# Altium PCB XXXX.687253.007.PcbDoc (part 2 of 2) (continued)
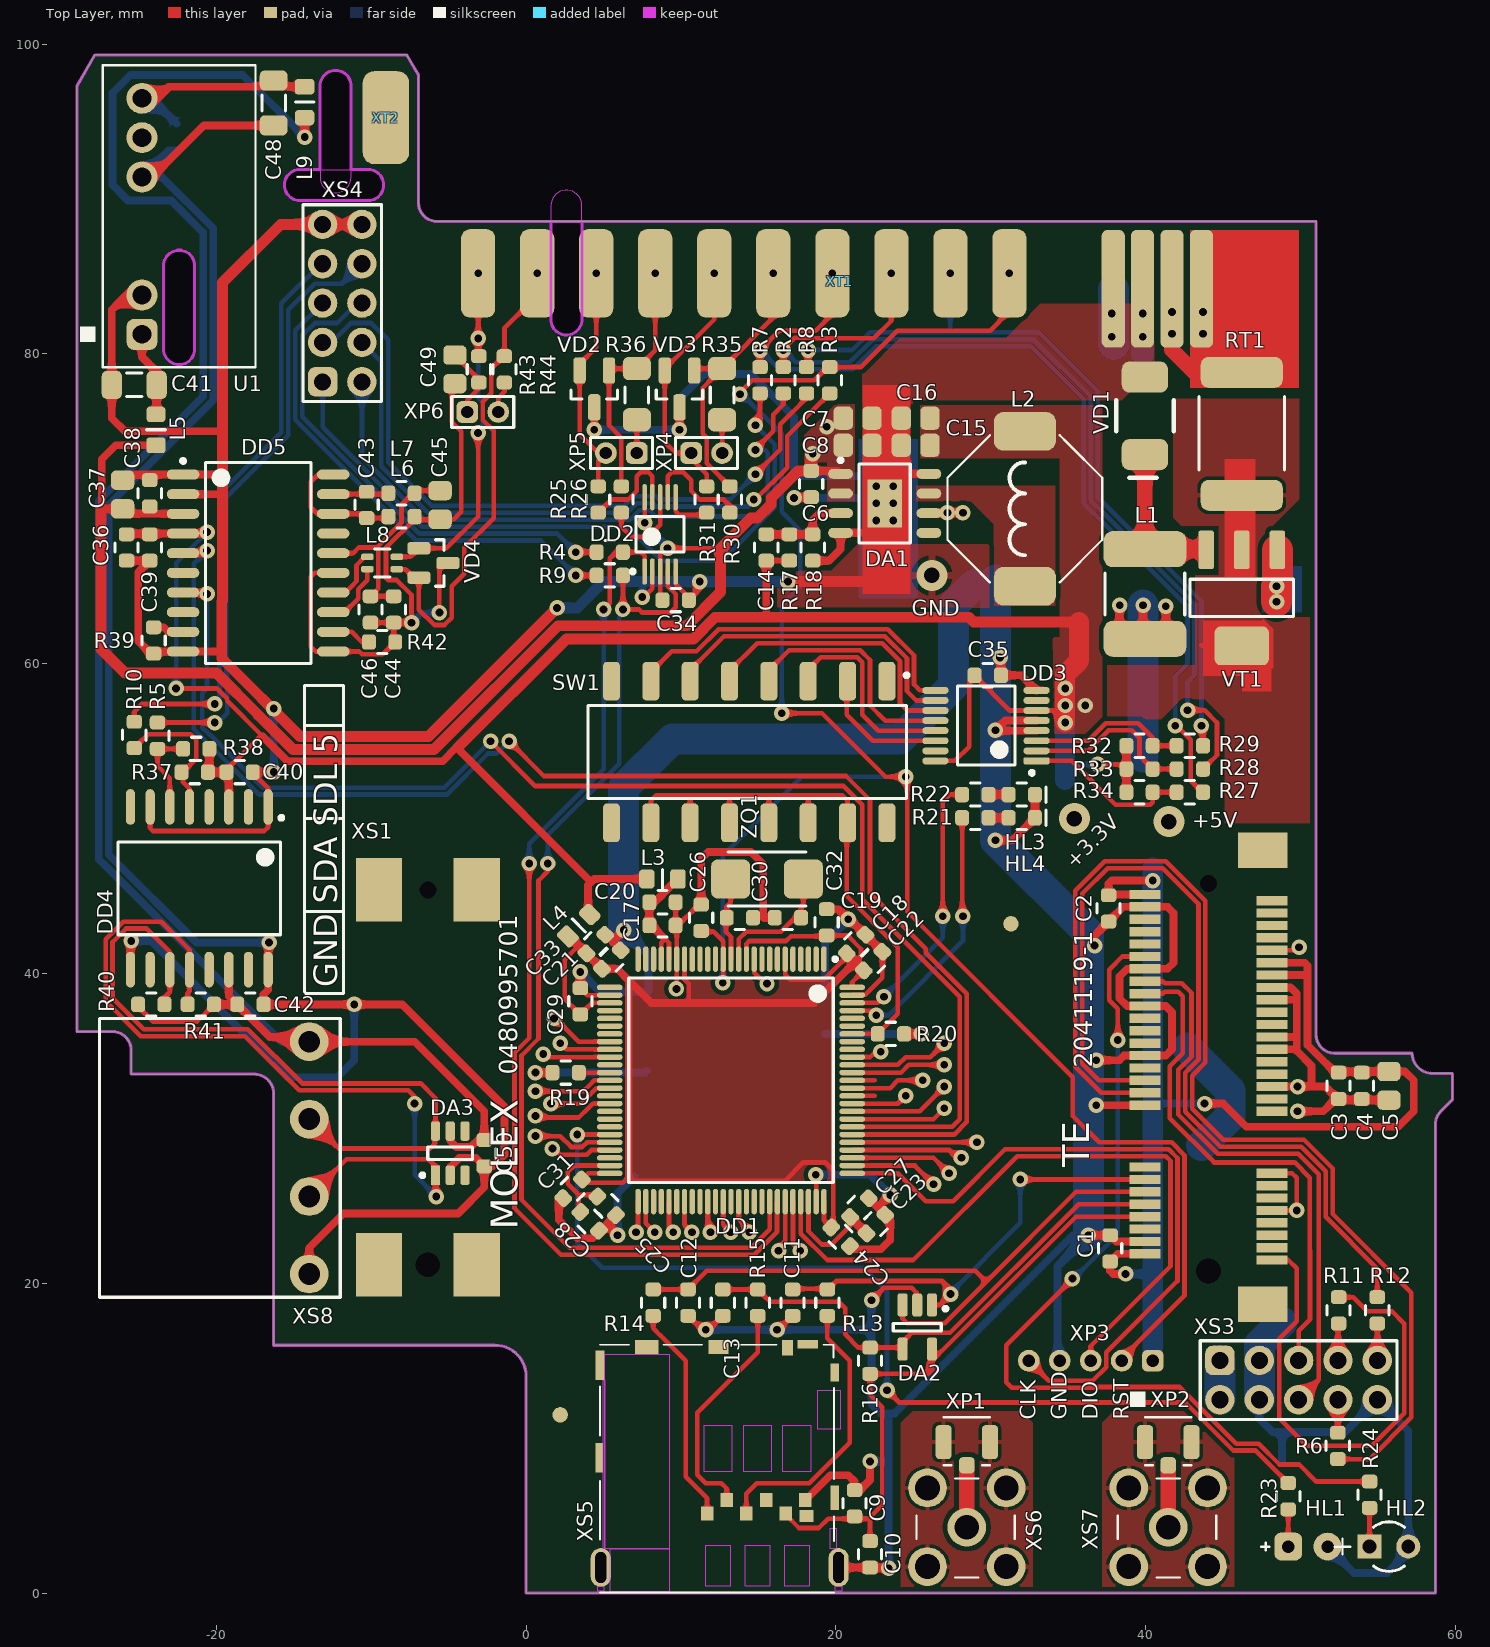
[diagram p0: Top Layer view]
## Nets (pads, with @x,y where several pads share a name; then routed paths per layer and width w, separated by ;. In a path a pad name is that pad's centre, name@x,y a point inside that pad or via, vN(x,y) a via of type N, cw(c..) or ccw(c..) an arc to the next point about the centre after c; other vN are vias at no path point) (continued)
NetDD2_8: DD2.8 R26.2 | length 5.8
  Top Layer w0.3: R26.2@6.15,69.75 6.15,68.85 6.8,68.2 7.881,68.2 8.65,68.969 DD2.8@8.65,70.75
NetDD2_9: DD2.9 R25.2 | length 6.6
  Top Layer w0.3: R25.2@4.65,69.75 5.5,70.6 6.6,70.6 7.15,71.15 7.15,72.1 7.4,72.35 7.9,72.35 8.15,72.1 DD2.9@8.15,70.75
NetDD3_1: DD3.1 R27.2 R34.1 | length 10.9
  Top Layer w0.3: DD3.1@32.95,53.725 35.225,53.725 38.05,50.9 40.3,50.9 40.45,51.05 R34.1@40.45,51.7 R27.2@42,51.7
NetDD3_2: DD3.2 R28.2 R33.1 | length 11.3
  Top Layer w0.3: DD3.2@32.95,54.375 36.275,54.375 37.6,55.7 39.1,55.7 39.6,55.2 39.6,54.05 R33.1@40.45,53.2 R28.2@42,53.2
NetDD3_3: DD3.3 R29.2 R32.1 | length 10.4
  Top Layer w0.3: DD3.3@32.95,55.025 36.289,55.025 37.414,56.15 39.525,56.15 40.45,55.225 R32.1@40.45,54.7 R29.2@42,54.7
NetDD3_9: DD3.9 SW1.7 | length 22.8
  Top Layer w0.3: SW1.7@8.05,58.872 8.05,59.45 9.4,60.8 11,60.8 12.422,62.222 23.351,62.222 25.04,60.533 25.04,58.66 25.425,58.275 DD3.9@26.425,58.275
NetDD3_10: DD3.10 SW1.6 | length 20.4
  Top Layer w0.3: SW1.6@10.59,58.872 10.59,59.59 12.772,61.772 23.164,61.772 24.59,60.346 24.59,58.21 25.175,57.625 DD3.10@26.425,57.625
NetDD3_11: DD3.11 SW1.5 | length 18.1
  Top Layer w0.3: SW1.5@13.13,58.872 13.13,59.53 14.922,61.322 22.978,61.322 24.14,60.16 24.14,57.46 24.625,56.975 DD3.11@26.425,56.975
NetDD3_12: DD3.12 SW1.4 | length 15.6
  Top Layer w0.3: SW1.4@15.67,58.872 15.8,59.002 15.8,59.7 16.972,60.872 21.564,60.872 22.2,60.236 22.2,57.3 23.175,56.325 DD3.12@26.425,56.325
NetDD3_13: DD3.13 SW1.3 | length 13.2
  Top Layer w0.3: SW1.3@18.21,58.872 18.21,59.61 19.022,60.422 21.378,60.422 21.7,60.1 21.7,56.7 22.725,55.675 DD3.13@26.425,55.675
NetDD3_14: DD3.14 SW1.2 | length 8.6
  Top Layer w0.3: SW1.2@20.75,58.872 20.7,58.822 20.7,56.7 22.375,55.025 DD3.14@26.425,55.025
NetDD5_9: DD5.9 R39.1 | length 2
  Top Layer w0.5: R39.1@-24.05,62.35 -23.4,62.35 -23.105,62.055 DD5.9@-22.15,62.055
NetDD5_12: DD5.12 R42.2 | length 2.6
  Top Layer w0.3: DD5.12@-12.45,62.055 -11.255,62.055 -10.6,61.4 R42.2@-10.15,61.4
NetDD5_13: DD5.13 L8.2 | length 4.1
  Top Layer w0.3: DD5.13@-12.45,63.325 -11.725,63.325 -10.85,64.2 -10.85,64.792 -10.25,65.392 L8.2@-10.25,66.1
NetDD5_14: DD5.14 L8.1 | length 3.8
  Top Layer w0.3: DD5.14@-12.45,64.595 -11.684,64.595 -11.3,64.979 -10.95,65.329 -10.95,66.366 -10.416,66.9 L8.1@-10.25,66.9
NetHL1_2: HL1.2 R23.2 | length 2.4
  Top Layer w0.3: HL1.2@49.2,3 R23.2@49.2,5.4
NetHL2_2: HL2.2 R24.2 | length 2.5
  Top Layer w0.3: HL2.2@54.45,3 R24.2@54.45,5.5
NetHL3_2: HL3.2 R21.2 | length 1.3
  Top Layer w0.5: R21.2@29.85,50.05 HL3.2@31.15,50.05
NetHL4_2: HL4.2 R22.2 | length 1.3
  Top Layer w0.5: R22.2@29.85,51.55 HL4.2@31.15,51.55
NetL1_1: L1.1 VD1.1 VT1.3 | length 10.1
  Top Layer w1: VD1.1@39.95,73.5 L1.1@39.95,67.395 43.855,67.395 VT1.3@43.9,67.35
NetR2_1: R2.1 XS4.2 | length 42.1
  Top Layer w0.3: v1(14.8,73.8) 14.8,73.853 15.95,75.003 15.95,76.085 16.6,76.735 R2.1@16.6,77.45
  Bottom Layer w0.3: XS4.2@-10.6,78.2 -10.6,73.364 -6.536,69.3 6.719,69.3 7.319,69.9 7.981,69.9 8.381,69.5 14.831,69.5 15.6,70.268 15.6,71.404 15.6,73.6 15.4,73.8 v1(14.8,73.8)
NetR3_1: R3.1 XS4.4 | length 43.3
  Top Layer w0.3: v1(14.7,70.6) 14.8,70.6 16.85,72.65 16.85,74.7 R3.1@19.6,77.45
  Bottom Layer w0.3: XS4.4@-10.6,80.74 -9.35,79.49 -9.35,72.75 -6.35,69.75 6.532,69.75 7.132,70.35 8.168,70.35 8.368,70.15 14.35,70.15 14.7,70.5 v1(14.7,70.6)
NetR4_1: R4.1 XS4.6 | length 32.6
  Top Layer w0.3: v1(3.2,67.2) R4.1@4.55,67.2
  Bottom Layer w0.3: XS4.6@-10.6,83.28 -10.92,83.28 -12.21,81.99 -13.658,81.99 -14.45,81.198 -14.45,75.941 -6.909,68.4 2,68.4 v1(3.2,67.2)
NetR5_1: R5.1 XS4.8 | length 38.4
  Top Layer w0.3: R5.1@-23.8,56.2 v1(-20.1,56.2)
  Bottom Layer w0.3: v1(-20.1,56.2) -19.9,56.2 -19.3,56.8 -19.3,59.3 -19.35,59.35 -19.35,70.741 -15.35,74.741 -15.35,82.838 -13.658,84.53 -11.89,84.53 XS4.8@-10.6,85.82
NetR6_1: R6.1 XS3.8 | length 2.1
  Top Layer w0.3: R6.1@52.4,10.35 52.4,12.467 XS3.8@52.413,12.48
NetR7_1: R7.1 XS4.1 | length 45.1
  Top Layer w0.3: v1(14.8,75.4) 14.8,75.479 15.1,75.779 R7.1@15.1,77.45
  Bottom Layer w0.3: XS4.1@-13.14,78.2 -13.14,75.267 -6.723,68.85 6.55,68.85 8.75,66.65 12.618,66.65 16.05,70.082 16.05,71.217 16.05,74.15 v1(14.8,75.4)
NetR8_1: R8.1 XS4.3 | length 45.6
  Top Layer w0.3: v1(14.8,72.226) 16.4,73.826 16.4,75.45 18.1,77.15 R8.1@18.1,77.45
  Bottom Layer w0.3: XS4.3@-13.14,80.74 -12.56,80.74 -11.31,81.99 -9.99,81.99 -8.9,80.9 -8.9,73 -6.1,70.2 6.346,70.2 6.946,70.8 8.354,70.8 8.554,70.6 13.174,70.6 v1(14.8,72.226)
NetR9_1: R9.1 XS4.5 | length 31.9
  Top Layer w0.3: v1(3.2,65.7) R9.1@4.55,65.7
  Bottom Layer w0.3: XS4.5@-13.14,83.28 -14.9,81.52 -14.9,75.754 -7.096,67.95 0.95,67.95 v1(3.2,65.7)
NetR10_1: R10.1 XS4.7 | length 37.8
  Top Layer w0.3: R10.1@-25.3,56.25 -25.3,56.9 -24.8,57.4 -20.2,57.4 -20.1,57.5 -20,57.4 v1(-20.1,57.4)
  Bottom Layer w0.3: v1(-20.1,57.4) -20,57.4 -20.1,57.5 -19.8,57.8 -19.8,70.927 -15.8,74.927 -15.8,83.26 -13.24,85.82 XS4.7@-13.14,85.82
NetR11_1: R11.1 XS3.7 | length 2.4
  Top Layer w0.3: XS3.7@52.413,15.02 52.413,17.363 R11.1@52.45,17.4
NetR12_1: R12.1 XS3.9 | length 2.4
  Top Layer w0.3: R12.1@54.95,17.4 54.953,17.397 XS3.9@54.953,15.02
NetR13_1: R13.1 XS5.2 | length 18.1
  Top Layer w0.3: XS5.2@14.22,5.15 14.22,6.42 14.9,7.1 18.286,7.1 20.9,9.714 20.9,15 19.45,16.45 R13.1@19.45,17.9
NetR14_1: R14.1 XS5.3 | length 14.2
  Top Layer w0.3: R14.1@8.2,17.9 8.2,17.1 8.67,16.63 8.674,16.63 8.85,16.454 8.85,16.45 10.3,15 10.3,7.5 11.68,6.12 XS5.3@11.68,5.15
NetR15_1: R15.1 XS5.6 | length 14.9
  Top Layer w0.3: XS5.6@12.95,6 12.95,6.75 12.6,7.1 11.584,7.1 11.05,7.634 11.05,11.65 14.95,15.55 R15.1@14.95,17.9
NetR35_1: R35.1 XP4.2 | length 1.9
  Top Layer w0.3: XP4.2@12.65,73.85 R35.1@12.65,75.75
NetR36_1: R36.1 XP5.1 | length 2.2
  Top Layer w0.3: XP5.1@7.15,73.6 R36.1@7.15,75.75
NetR44_1: R44.1 XP6.2 | length 2.1
  Top Layer w0.3: XP6.2@-1.8,76.25 -1.8,77.15 -1.4,77.55 R44.1@-1.4,78.15
NetRT1_2: RT1.2 VT1.2 | length 0.1
  Top Layer w0.3: 43.6,61.2 43.65,61.15
NetXP1_1: XP1.1 XS6.1
NetXP1_2: XP1.2 XS6.2 | length 4
  Top Layer w1: XS6.2@28.45,4.25 XP1.2@28.45,8.25
NetXP2_1: XP2.1 XS7.1
NetXP2_2: XP2.2 XS7.2 | length 4
  Top Layer w1: XS7.2@41.45,4.25 XP2.2@41.45,8.25
PERST#_EC25: R12.2 XS1.22 | length 58.6
  Top Layer w0.3: XS1.22@39.95,33.1 36.969,33.1 35.9,34.169 35.9,45.164 37.536,46.8 41.1,46.8 43.404,44.496 43.404,34.44 42.55,33.586 42.55,31.082 44.828,28.804 50.032,28.804 51.613,27.224 51.613,24.287 54.95,20.95 R12.2@54.95,19.1
PROG_BOOT0_SEL0: R7.2 R27.1 XT1.7 | length 62.1
  Top Layer w0.3: R7.2@15.1,79.15 v1(15.1,80.25) 16.35,81.5 18.7,81.5 19.765,82.565 XT1.7@19.765,85.2 ; v1(41.9,56) 42,56 42.9,55.1 42.9,52.45 43.65,51.7 R27.1@43.7,51.7
  Bottom Layer w0.3: v1(15.1,80.25) 16.35,79 21.086,79 22.586,80.5 32.564,80.5 36,77.064 36,70.327 36.645,69.682 36.682,69.682 42.7,63.664 42.7,60 41.9,59.2 v1(41.9,56)
PROG_BOOT0_SEL1: R2.2 R28.1 XT1.8 | length 63.5
  Top Layer w0.3: R2.2@16.6,79.15 v1(16.6,80.25) ; v1(16.6,80.25) 16.6,80.3 17.35,81.05 18.531,81.05 18.581,81 22.45,81 23.575,82.125 XT1.8@23.575,85.2 ; v1(42.7,57) 43.8,57 44.6,56.2 44.6,54.1 R28.1@43.7,53.2
  Bottom Layer w0.3: v1(16.6,80.25) 17.4,79.45 20.9,79.45 22.4,80.95 32.75,80.95 36.45,77.25 36.45,70.514 36.832,70.132 36.868,70.132 43.15,63.85 43.15,59.25 42.7,58.8 v1@42.7,57.1 ; v1(42.7,57) v1@42.7,57.1 ; v1@42.9,57.3 v1@42.7,57.1
PROG_BOOT0_SEL2: R8.2 R29.1 XT1.9 | length 51.5
  Top Layer w0.3: R8.2@18.1,79.15 18.2,79.25 v1(18.2,80.25) ; v1(43.6,56) 43.8,56 43.7,55.9 R29.1@43.7,54.7
  Bottom Layer w0.3: v1(18.2,80.25) 21.064,80.25 22.214,81.4 33.1,81.4 36.9,77.6 36.9,70.7 37.018,70.582 37.055,70.582 43.6,64.036 43.6,59.064 v1(43.6,56) ; 27.385,81.5 XT1.9@27.385,85.2
PROG_NRST_Out: C26.2 DD1.14 R3.2 XP3.2 XT1.10 | length 130.8
  Top Layer w0.3: C26.2@11.3,42.75 11.35,42.7 12.1,42.7 12.725,42.075 DD1.14@12.725,40.925 12.725,39.425 v1(12.7,39.4) ; v1(13.8,77.4) 13.8,77.5 14.6,78.3 18.6,78.3 19.45,79.15 R3.2@19.6,79.15 21.6,79.15 23.95,81.5 29.95,81.5 31.195,82.745 XT1.10@31.195,85.2 ; v1@16.4,56.8 v1(16.5,56.8) 19.1,56.8 23.2,52.7 v1(24.5,52.7) 24.6,52.6 24.6,44 35.3,33.3 35.3,30.8 37,29.1 41.673,29.1 42.5,28.273 42.5,19.2 38.45,15.15 XP3.2@38.45,15
  Bottom Layer w0.3: v1(12.7,39.4) 12.7,47.6 17.8,52.7 v1(24.5,52.7) ; v1(13.8,77.4) 13.931,77.4 16.5,74.831 16.5,71.031 ; 16.5,71.031 16.5,69.8 17.7,68.6 17.7,64.969 16.5,63.769 v1(16.5,56.8)
PROG_RX/CAN: DD1.69 DD2.1 R4.2 | length 68.9
  Top Layer w0.3: v1(0.2,47.1) 0.2,46.9 0.1,46.8 0.2,46.7 0.2,35.836 -0.75,34.886 -0.75,24.85 2.25,21.85 14.718,21.85 16.2,23.332 16.2,25.25 DD1.69@16.225,25.275 ; v1(5,63.5) 5.4,63.9 5.4,66.8 5.8,67.2 R4.2@6.25,67.2 7.4,67.2 7.65,66.95 DD2.1@7.65,65.95
  Bottom Layer w0.3: v1(0.2,47.1) 0.2,48.375 5,53.175 v1(5,63.5)
PROG_TX/CAN: DD1.68 DD2.4 R9.2 | length 69.3
  Top Layer w0.3: v1(1.4,47.1) 1.4,46.6 0.8,46 0.8,35.8 -0.3,34.7 -0.3,25.4 2.8,22.3 14.531,22.3 15.725,23.494 DD1.68@15.725,25.275 ; R9.2@6.25,65.7 v1(6.25,63.5) 7.3,63.5 7.5,63.3 9.3,63.3 9.65,63.65 9.65,64.5 9.15,65 DD2.4@9.15,65.95
  Bottom Layer w0.3: v1(1.4,47.1) 1.799,47.1 1.4,47.498 1.4,48.938 6,53.538 6,63 6.25,63.25 v1(6.25,63.5)
REZERV1: DD1.23
REZERV2: DD1.24
Shasi: XT2.1
SWCLK: DD1.76 XP3.5 | length 44.7
  Top Layer w0.3: DD1.76@21.05,27.1 24,27.1 25.8,25.3 27.564,25.3 30.914,28.65 41.486,28.65 42.05,28.086 42.05,20.15 37.45,15.55 37.45,14.586 36.564,13.7 33.75,13.7 XP3.5@32.45,15
SWDIO: DD1.72 XP3.3 | length 44.6
  Top Layer w0.3: DD1.72@17.725,25.275 17.725,23.206 19.431,21.5 25,21.5 31.7,28.2 41.3,28.2 41.6,27.9 41.6,21.1 36.45,15.95 XP3.3@36.45,15
USB_EC25_D3_N: XS1.36 XS3.5 | length 33.6
  Top Layer w0.3: XS1.36@39.95,38.7 41.1,38.7 41.223,38.823 42.1,38.823 42.4,38.523 42.4,34.856 41.546,34.002 41.546,30.666 44.412,27.8 49.617,27.8 50.6,26.817 50.6,22.136 50.609,22.128 50.609,17.672 49.873,16.937 XS3.5@49.873,15.02
USB_EC25_D3_P: XS1.38 XS3.6 | length 37.3
  Top Layer w0.3: XS1.38@39.95,39.5 41.1,39.5 41.223,39.377 42.329,39.377 42.954,38.752 42.954,34.627 42.1,33.773 42.1,30.896 44.642,28.354 49.846,28.354 51.163,27.037 51.163,13.77 XS3.6@49.873,12.48
USIM_CLK: C12.1 DA2.3 R14.2 XS1.12 | length 42.5
  Top Layer w0.3: R14.2@8.2,19.6 C12.1@10.45,19.6 11.65,20.8 29,20.8 29.7,20.1 ; DA2.3@24.3,18.6 24.3,17.7 24.588,17.413 27.012,17.413 29.7,20.1 ; XS1.12@39.95,25.9 35.5,25.9 29.7,20.1
USIM_DATA: C13.1 DA2.4 R15.2 R16.2 XS1.10 | length 34
  Top Layer w0.3: C13.1@12.7,19.6 R15.2@14.95,19.6 15.75,18.8 20.2,18.8 20.6,18.4 20.6,16.7 21.45,15.85 R16.2@22.2,15.85 24.2,15.85 DA2.4@24.3,15.75 24.3,16.2 24.9,16.8 27.364,16.8 35.664,25.1 XS1.10@39.95,25.1
USIM_RST: C11.1 DA2.1 R13.2 XS1.14 | length 29.6
  Top Layer w0.3: C11.1@17.2,19.6 17.25,19.65 19.4,19.65 R13.2@19.45,19.6 19.486,19.6 20.036,20.15 26.85,20.15 v2@27.5,19.5 ; DA2.1@26.2,18.6 26.7,18.6 v2(27.4,19.3) ; v2(31.9,26.7) XS1.14@39.95,26.7
  Bottom Layer w0.3: v2(27.4,19.3) 27.4,19.4 31.9,23.9 v2(31.9,26.7)
USIM_VDD: C9.1 C10.1 DA2.5 R16.1 XS1.8 XS5.1 | length 41.5
  Top Layer w0.3: XS5.1@16.76,5.15 16.76,5.056 17.616,4.2 18.9,4.2 19.5,4.8 22.1,4.8 22.2,4.7 C10.1@22.2,3.35 ; 22.2,4.9 23,5.7 23,12 22.2,12.8 R16.1@22.2,14.15 25.95,14.15 ; DA2.5@26.2,15.75 26.2,15 ; XS1.8@39.95,24.3 35.5,24.3 26.2,15 ; 25.95,14.15 25.95,14.75 26.2,15 ; 25.95,14.15 26.2,14.4 26.2,15
WAKE#_EC25: R11.2 XS1.1 | length 32.4
  Top Layer w0.3: XS1.1@48.15,21.5 49.2,21.5 49.742,20.958 49.742,17.542 48.623,16.423 48.623,11.277 50.4,9.5 54.6,9.5 56.7,11.6 56.7,17.4 55.9,18.2 54.3,18.2 53.4,19.1 R11.2@52.45,19.1
WDISABLE#_EC25: R6.2 XS1.20 | length 75.3
  Top Layer w0.3: XS1.20@39.95,32.3 37.132,32.3 35.45,33.982 35.45,45.35 37.35,47.25 41.286,47.25 43.854,44.682 43.854,34.254 43,33.4 43,31.269 45.015,29.254 50.219,29.254 52.063,27.41 52.063,24.474 57.15,19.386 57.15,11.35 54.45,8.65 R6.2@52.4,8.65
Y: R31.1 VD3.2 XP4.1 XT1.5 | length 16.7
  Top Layer w0.3: XP4.1@10.4,73.6 XP4.1@10.269,73.6 ; R31.1@11.65,71.45 11.65,72.219 10.65,73.219 XP4.1@10.269,73.6 ; XT1.5@12.145,85.2 12.145,82.22 8.9,78.975 VD3.2@8.95,78.925 8.95,74.3 9.65,73.6 XP4.1@10.269,73.6
Z: R30.1 R35.2 VD3.1 XT1.6 | length 18.2
  Top Layer w0.3: VD3.1@10.85,78.925 10.975,79.05 R35.2@12.65,79.05 ; R30.1@13.143,71.443 11.65,72.936 11.65,73.186 11.65,74.6 11.4,74.85 11.4,77.8 R35.2@12.65,79.05 ; XT1.6@15.955,85.2 15.955,82.355 R35.2@12.65,79.05
pads on no net: DA1.5 DA3.3 DA3.4 DD1.1 DD1.2 DD1.3 DD1.4 DD1.5 DD1.7 DD1.8 DD1.9 DD1.15 DD1.16 DD1.17 DD1.18 DD1.25 DD1.26 DD1.29 DD1.30 DD1.31 DD1.32 DD1.33 DD1.34 DD1.35 DD1.36 DD1.38 DD1.39 DD1.40 DD1.41 DD1.42 DD1.43 DD1.44 DD1.46 DD1.47 DD1.48 DD1.53 DD1.54 DD1.55 DD1.56 DD1.57 DD1.58 DD1.59 DD1.60 DD1.61 DD1.62 DD1.63 DD1.64 DD1.65 DD1.66 DD1.67 DD1.70 DD1.71 DD1.77 DD1.78 DD1.79 DD1.80 DD1.83 DD1.84 DD1.85 DD1.86 DD1.87 DD1.88 DD1.89 DD1.90 DD1.91 DD1.92 DD1.93 DD1.95 DD1.96 DD3.7 DD3.15 DD4.2 DD4.4 DD4.8 DD4.10 DD4.13 DD4.15 DD5.6 DD5.8 DD5.17 SW1.1 SW1.8 SW1.9 SW1.16 U1.6 VD2.p VD3.p VD4.p VT1.p XS1.3 XS1.5 XS1.6 XS1.7 XS1.11 XS1.13 XS1.16 XS1.17 XS1.19 XS1.23 XS1.24 XS1.25 XS1.28 XS1.30 XS1.31 XS1.32 XS1.33 XS1.44 XS1.45 XS1.46 XS1.47 XS1.48 XS1.49 XS1.51 XS1.CP1 XS1.CP2 XS1.CP3 XS1.CP4 XS1.CP5 XS1.CP6 XS1.TH1 XS1.TH2 XS5.5 XS5.7 XS5.9 XS5.10 XS5.11 XS5.12 XS5.13 XS5.14 XS5.15 XS5.16 XS5.17
copper on no net: | length 120.3
  Top Layer w0.3: v2@0.5,32.4 3.7,32.4 4.1,32.8 4.4,33.1 5.4,33.1 ; v2(0.6,29.5) 2.2,29.5 2.9,28.8 3.631,28.8 3.931,29.1 5.4,29.1 ; v2(0.6,30.8) 0.7,30.7 1,30.7 3.4,30.7 4,31.3 4.3,31.6 5.4,31.6 ; v2(1.1,34.8) 1.3,34.6 5.4,34.6 ; v2(1.6,31.6) 3.536,31.6 4.068,32.132 4.536,32.6 5.4,32.6 ; v2(1.7,28.7) 1.8,28.7 2.2,28.3 2.5,28.3 3.9,28.3 4.2,28.6 5.4,28.6 ; v2(1.8,37.1) 1.9,37.1 2.6,36.4 3.4,35.6 5.4,35.6 ; v2(2.2,35.5) 2.6,35.1 5.4,35.1 ; 9.225,25.275 9.225,23.574 v2(9.5,23.3) ; 10.225,25.275 10.225,23.775 v2(10.7,23.3) ; 11.725,25.275 11.725,23.474 v2(11.9,23.3) ; 12.725,25.275 12.725,23.775 v2(13.2,23.3) ; 13.725,25.275 13.725,24.175 14.4,23.5 v2(14.4,23.3) ; v2@16.2,22.2 16.725,22.725 16.725,25.275 ; 17.225,25.275 17.225,22.575 v2(17.7,22.1) ; 21.05,27.6 25.1,27.6 v2(26.3,26.4) ; 21.05,28.1 26.3,28.1 v2(27.3,27.1) ; 21.05,28.6 27.3,28.6 28,27.9 28.1,28 v2(28.1,28.1) ; 21.05,29.1 v2(29.1,29.1) ; 21.05,30.6 26.3,30.6 v2(27,31.3) ; 21.05,31.1 22.025,31.1 22.5,31.1 25.4,31.1 26.4,32.1 v2(27,32.7) ; 21.05,31.6 22.025,31.6 22.5,31.6 24,31.6 v2(24.5,32.1) ; 21.05,32.1 22.025,32.1 22.5,32.1 ; 21.05,32.6 22.025,32.6 22.5,32.6 23.5,32.6 24,33.1 v2(25.6,33.1) ; 21.05,33.1 22.025,33.1 22.5,33.1 ; 21.05,33.6 22.025,33.6 22.5,33.6 24.2,33.6 24.7,34.1 25.1,34.1 v2@27.1,34.1 ; 21.05,34.1 22.025,34.1 22.5,34.1 ; 21.05,34.6 22.2,34.6 22.4,34.8 22.7,34.8 22.85,34.95 v2(22.9,34.95) ; 22.3,34.1 24,34.1 24.5,34.6 26.1,34.6 v2(27,35.5)
  other v2: 16.3,22.1 0.6,32.4 27,34.1

## Polygon pours and split planes (outlines as drawn)
3,3 on Top Layer "Top Layer-No Net" (solid, pour order 42): 6.625,39.7 6.625,26.5 19.825,26.5 19.825,39.7
NetXP2_1 on Top Layer "NETXP2_1_L01_P010" (solid, remove dead copper, pour order 10): 37.2,0 37.2,11 37.95,11.75 42.85,11.75 45.7,8.9 45.7,0
NetXP1_1 on Top Layer "NETXP1_1_L01_P008" (solid, remove dead copper, pour order 8): 24.2,0 24.2,11 24.95,11.75 31.95,11.75 32.7,11 32.7,0
"+5 В" on Top Layer "Top Layer-No Net 2" (solid, remove dead copper, pour order 22): 19.45,76.75 19.95,76.75 17.95,74.75 17.95,73 19.45,73 19.45,70.5 21.2,70.5 21.2,76.75
NetDA1_7 on Top Layer "Top Layer-No Net 4" (solid, pour order 28): 25.2,71.5 25.2,70.5 28.7,70.5 30.2,69 30.2,63.75 34.2,63.75 34.2,71.5
"+3,3 В_GSM" on Top Layer "Top Layer-No Net 3" (solid, remove dead copper, pour order 24): 25.45,76.75 25.45,73.25 34.45,73.25 34.45,61.7 34,61.7 34.102,55.4 36.1,55.4 37.2,56.5 37.2,73.25 37.2,76.75
GND on Top Layer "Top Layer-No Net 1" (solid, remove dead copper, pour order 20): 40.555,83.25 40.555,79.105 38.45,77 24.95,77 24.783,67.7 29.9,67.7 29.9,63.6 24.95,63.6 21.7,63.6 16.2,63.6 16.2,66 19.7,66 21.7,68 21.7,78.75 23.95,81 30.95,81 33.2,83.25
NetRT1_2 on Top Layer "NETRT1_2_L01_P038" (solid, remove dead copper, pour order 38): 43.2,65.7 43.2,59.9 37.3,59.9 37.3,56.4 41,56.4 42.3,57.7 43.8,57.7 45.1,56.4 45.1,49.7 50.7,49.7 50.7,63 50.555,63 47.5,63 47.6,63.1 47.6,68.3 49.9,70.6 49.9,75.8 49.9,77.09 41.792,77.09 41.792,69.408 42.3,68.9 44.7,68.9 44.7,65.7
"+3,3 В_GSM" on Bottom Layer "Bottom Layer-No Net 5" (solid, remove dead copper, pour order 44): 34,59 34,46.5 37.7,42.8 37.6,42.7 37.6,16.5 41.2,16.5 41.1,16.6 41.1,47.1 36.9,51.3 36.9,52.5 36.9,59
GND on Bottom Layer "Bottom Layer-No Net 4" (solid, pour order 36): 21.45,74.5 21.45,64.25 32.45,64.25 32.45,74.75 30.45,76.75 23.45,76.75 21.4,74.7
"+5 В" on Bottom Layer "Bottom Layer-No Net 2" (solid, pour order 32): 17.95,74.75 17.95,73.95 17.95,73 19.45,73 23.45,77 31.45,77 32.7,75.75 32.7,68.5 37.2,68.5 35.7,68.5 35.7,76.75 32.45,80 22.95,80 19.487,76.287
"+5 В" on Bottom Layer "Bottom Layer-No Net 1" (solid, pour order 30): 26.7,70 26.7,69.25 26.95,69 32.2,69 32.7,68.5 32.7,64 37.2,59.647 37.2,51.5 41.4,47.3 41.5,12 46.1,12 46.1,59.6 42.7,63 35.2,70.5 27.2,70.5
NetXP2_1 on Bottom Layer "NETXP2_1_L02_P014" (solid, remove dead copper, pour order 14): 35.2,0 35.2,11.75 48.2,11.75 48.2,0
GND on Bottom Layer "Bottom Layer-No Net" (solid, pour order 40): 6.625,39.7 6.625,26.5 19.825,26.5 19.825,39.7
NetXP1_1 on Bottom Layer "NETXP1_1_L02_P012" (solid, remove dead copper, pour order 12): 24.2,0 24.2,11 24.95,11.75 35,11.75 35,0
GND on Bottom Layer "Bottom Layer-No Net 3" (solid, pour order 34): 37.155,88.05 37.2,88.005 37.2,71.2 46.4,62 46.4,16.8 50.7,16.8 50.7,80 40.45,80 40.45,88.005

## Keep-outs
Keep-Out Layer:
  lines w0.2: -29,36.25 -29,97.3 ; -29,36.25 -26.7,36.25 ; -29,36.25 -29,97.3 ; -29,36.25 -26.7,36.25 ; -29,97.3 -27.845,99.3 ; -27.845,99.3 -7.7,99.3 ; -27.845,99.3 -7.7,99.3 ; -26.7,36.25 cw(c-26.7,35.05) -25.5,35.05 ; -26.7,36.25 -26.582,36.244 -26.352,36.198 -26.134,36.108 -25.939,35.978 -25.772,35.811 -25.642,35.616 -25.552,35.398 -25.506,35.168 -25.5,35.05 ; -25.5,33.5 -25.5,35.05 ; -25.5,33.5 -17.55,33.5 ; -25.5,33.5 -17.55,33.5 ; -25.5,33.5 -25.5,35.05 ; -17.55,33.5 cw(c-17.55,32.25) -16.3,32.25 ; -17.55,33.5 -17.428,33.494 -17.187,33.446 -16.961,33.352 -16.757,33.216 -16.584,33.043 -16.448,32.839 -16.354,32.613 -16.306,32.373 -16.3,32.25 ; -17.55,33.5 -17.55,33.5 ; -16.3,16 -16.3,32.25 ; -16.3,16 -2,16 ; -16.3,16 -16.3,32.25 ; -16.3,16 -2,16 ; -7.7,99.3 -7.3,98.607 ; -7.7,99.3 -7.3,98.607 ; -7.3,98.607 -6.95,98.001 ; -7.3,98.607 -6.95,98.001 ; -6.95,89.75 ccw(c-5.75,89.75) -5.75,88.55 ; -6.95,89.75 -6.944,89.632 -6.898,89.402 -6.808,89.184 -6.678,88.989 -6.511,88.822 -6.316,88.692 -6.098,88.602 -5.868,88.556 -5.75,88.55 ; -6.95,89.75 -6.95,98.001 ; -6.95,89.75 -6.95,98.001 ; -5.75,88.55 1.6,88.55 1.6,82.225 1.6,82.093 1.668,81.839 1.8,81.611 1.986,81.425 2.214,81.293 2.469,81.225 2.732,81.225 2.987,81.293 3.215,81.425 3.401,81.611 3.533,81.839 3.601,82.093 3.601,82.225 3.601,88.55 51,88.55 ; -5.75,88.55 51,88.55 ; -5.75,88.55 -5.75,88.55 ; -2,16 cw(c-2,14) 0,14 ; -2,16 -1.804,15.99 -1.419,15.914 -1.057,15.764 -0.731,15.546 -0.454,15.269 -0.236,14.943 -0.086,14.581 -0.01,14.196 0,14 ; 0,0 0,14 ; 0,0 58.7,0 ; 0,0 0,14 ; 0,0 58.7,0 ; 0,14 0,14 ; 51,36.05 ccw(c52.2,36.05) 51.069,35.65 ; 51,36.05 51.001,35.999 51.01,35.897 51.027,35.797 51.053,35.698 51.069,35.65 ; 51,36.05 51,36.9 ; 51,36.05 51,36.05 ; 51,36.05 51,36.9 ; 51,36.9 51,88.55 ; 51,36.9 51,36.9 ; 51,36.9 51,88.55 ; 51,88.55 51,88.55 ; 51.069,35.65 ccw(c52.2,36.05) 52.2,34.85 ; 51.069,35.65 51.103,35.564 51.19,35.402 51.301,35.255 51.434,35.126 51.585,35.02 51.75,34.938 51.925,34.882 52.108,34.854 52.2,34.85 ; 52.2,34.85 57.2,34.85 ; 52.2,34.85 57.2,34.85 ; 57.2,34.85 57.206,34.723 57.256,34.473 57.353,34.237 57.495,34.025 57.675,33.845 57.887,33.704 58.123,33.606 58.373,33.556 58.5,33.55 59.8,33.55 59.8,31.85 59.051,31.101 58.972,31.014 58.842,30.819 58.752,30.601 58.706,30.371 58.7,30.253 58.7,24.35 58.7,0 ; -23.4,80.181 -23.332,79.926 -23.2,79.698 -23.014,79.512 -22.786,79.38 -22.531,79.312 -22.268,79.312 -22.013,79.38 -21.785,79.512 -21.599,79.698 -21.467,79.926 -21.399,80.181 -21.399,80.313 -21.399,85.688 -21.399,85.819 -21.467,86.074 -21.599,86.302 -21.785,86.488 -22.013,86.62 -22.268,86.688 -22.531,86.688 -22.786,86.62 -23.014,86.488 -23.2,86.302 -23.332,86.074 -23.4,85.819 -23.4,85.688 -23.4,80.313 -23.4,80.181 ; -15.6,90.768 -15.532,90.513 -15.401,90.285 -15.214,90.099 -14.986,89.967 -14.732,89.899 -10.068,89.899 -9.814,89.967 -9.586,90.099 -9.399,90.285 -9.268,90.513 -9.2,90.768 -9.2,91.031 -9.268,91.286 -9.399,91.514 -9.586,91.7 -9.814,91.832 -10.068,91.9 -11.3,91.9 -11.3,97.3 -11.3,97.432 -11.368,97.686 -11.499,97.914 -11.686,98.101 -11.914,98.232 -12.168,98.3 -12.432,98.3 -12.686,98.232 -12.914,98.101 -13.101,97.914 -13.232,97.686 -13.3,97.432 -13.3,97.3 -13.3,91.9 -14.732,91.9 -14.986,91.832 -15.214,91.7 -15.401,91.514 -15.532,91.286 -15.6,91.031 -15.6,90.768

## Other copper
Top Layer:
  rectangle net GND: 21.7,64.5 24.8,78
  rectangle net NetRT1_2: 43.7,59.2 47.7,62.8
  rectangle net NetRT1_2: 46.2,58.2 48.128,62.192
  rectangle net NetRT1_2: 45.1,65.6 47.1,73.2
  rectangle net NetRT1_2: 47.575,59.689 48.245,62.255
  region net NetRT1_2: 48,61.9 48.3,62.2 47.6,62.9 47.3,62.6
  rectangle net "+5 В_Вн": 42.865,77.8 49.9,88
Bottom Layer:
  rectangle net GND: 47.5,63.3 50.1,66.3
  rectangle net GND: 21.45,64.2 25.3,74.5

## Silkscreen, mask and mechanical layers (free items; w line width, h text height)
Top Overlay:
  lines w0.2: -14.3,44 -11.8,44 ; -14.3,50 -11.8,50 ; -14.3,56 -11.8,56 ; -14.3,38.8 -14.3,58.6 -11.8,58.6 -11.8,38.7 -14.2,38.7 -14.3,38.8
  text "GND" at 24.9,63.1 h1
  text "+5V" at 43,49.4 h1
  text "+3.3V" at 35.4,46.7 h1 r45
  text "GND SDA SDL 5" at -12.2,39.1 h1.5 r90
  text "CLK" at 32.9,11.2 h1 r90
  text "GND" at 34.9,11.2 h1 r90
  text "DIO" at 36.9,11.2 h1 r90
  text "RST" at 38.9,11.2 h1 r90
Bottom Overlay:
  text "XXXX.426471.007" at 25.8,60.422 h1.52
  text "XXXX.421457.003" at 25.6,58 h1.52
  text "XXXX.687253.007 rev.1.0" at 25.5,55.5 h1.52
  text "Module Raspberry PCB2" at 25.8,52.85 h1.52
Bottom Solder:
  rectangle: 34.4,8.5 35,10.3
  rectangle: 35.3,8.5 35.9,10.3
  rectangle: 47.9,8.5 48.2,9.9
  rectangle: 48.6,8.5 48.9,9.9
board:
  drawing of 215 lines, arcs and shapes, not listed
Mechanical 16:
  lines w0.2: -29,34.5 -29,95.55 ; -29,36.25 -26.7,36.25 cw(c-26.7,35.05) -25.5,35.05 -25.5,33.5 -17.55,33.5 cw(c-17.55,32.25) -16.3,32.25 -16.3,16 -2,16 cw(c-2,14) 0,14 0,0 58.7,0 ; -29,97.3 -27.845,99.3 -7.7,99.3 ; 23.95,-1 29.95,-1 ; 24.7,11 24.7,-1.5 45.2,-1.5 ; 28.45,-1 28.45,4.75 ; 39.2,-2.25 45.2,-2.25 ; 41.45,-2.25 41.45,11.75 ; 45.2,2.75 45.2,-1.5 ; 57.2,34.85 52.2,34.85 cw(c52.2,36.05) 51.069,35.65 cw(c52.2,36.05) 51,36.05 51,36.9 51,88.55 -5.75,88.55 ; 58.7,-1.5 45.2,-1.5 ; -7.7,99.3 -7.3,98.607 ; -7.7,99.3 -7.3,98.607 ; -7.3,98.607 -6.95,98.001 ; -7.3,98.607 -6.95,98.001 ; -6.95,89.75 ccw(c-5.75,89.75) -5.75,88.55 ; -6.95,89.75 ccw(c-5.75,89.75) -5.75,88.55 ; -6.95,89.75 -6.95,98.001 ; -6.95,89.75 -6.95,98.001
Mechanical 18:
  drawing of 191 lines, arcs and shapes, not listed
  text "Layer" at -40.93,123.917 h1.52
  text "Name" at -30.518,123.917 h1.52
  text "Material" at -6.903,123.917 h1.52
  text "Thickness" at 14.935,123.917 h1.52
  text "Constant" at 31.441,123.917 h1.52
  text "Board Layer Stack" at 45.915,123.917 h1.52
  text "1" at -40.93,120.869 h1.52
  text "Top Overlay" at -30.518,120.869 h1.52
  text "2" at -40.93,117.821 h1.52
  text "Top Solder" at -30.518,117.821 h1.52
  text "Solder Resist" at -6.903,117.821 h1.52
  text "0,010mm" at 14.935,117.821 h1.52
  text "3,5" at 31.441,117.821 h1.52
  text "3" at -40.93,114.773 h1.52
  text "Top Layer" at -30.518,114.773 h1.52
  text "Copper" at -6.903,114.773 h1.52
  text "0,036mm" at 14.935,114.773 h1.52
  text "4" at -40.93,111.725 h1.52
  text "Dielectric1" at -30.518,111.725 h1.52
  text "FR-4" at -6.903,111.725 h1.52
  text "1,500mm" at 14.935,111.725 h1.52
  text "4,8" at 31.441,111.725 h1.52
  text "5" at -40.93,108.677 h1.52
  text "Bottom Layer" at -30.518,108.677 h1.52
  text "Copper" at -6.903,108.677 h1.52
  text "0,036mm" at 14.935,108.677 h1.52
  text "6" at -40.93,105.629 h1.52
  text "Bottom Solder" at -30.518,105.629 h1.52
  text "Solder Resist" at -6.903,105.629 h1.52
  text "0,010mm" at 14.935,105.629 h1.52
  text "3,5" at 31.441,105.629 h1.52
  text "7" at -40.93,102.581 h1.52
  text "Bottom Overlay" at -30.518,102.581 h1.52

## Text inside footprints (layer, text, board x,y; h text height)
SW1: Mechanical 15 "4" at 16.04,57.11 h1.2 r180; Mechanical 15 "3" at 18.54,57.11 h1.2 r180; Mechanical 15 "2" at 21.04,57.11 h1.2 r180; Mechanical 15 "1" at 23.54,57.11 h1.2 r180; Mechanical 15 "ON" at 24.306,52.268 h1.2 r180; Mechanical 15 "8" at 5.88,57.11 h1.2 r180; Mechanical 15 "7" at 8.38,57.11 h1.2 r180; Mechanical 15 "6" at 10.88,57.11 h1.2 r180; Mechanical 15 "5" at 13.38,57.11 h1.2 r180
VT1: top_3d "1" at 47.95,68.75 h2 r270
XS1: Top Overlay "TE" at 36.95,27.5 h3 r90; Top Overlay "2041119-1" at 36.95,33.9 h2 r90; Top Overlay "0480995701" at -0.2,33.45 h2 r90; Top Overlay "MOLEX" at 0.05,23.45 h3 r90